# EAGLE board working (EAGLE 7.5.0), part 1 of 8
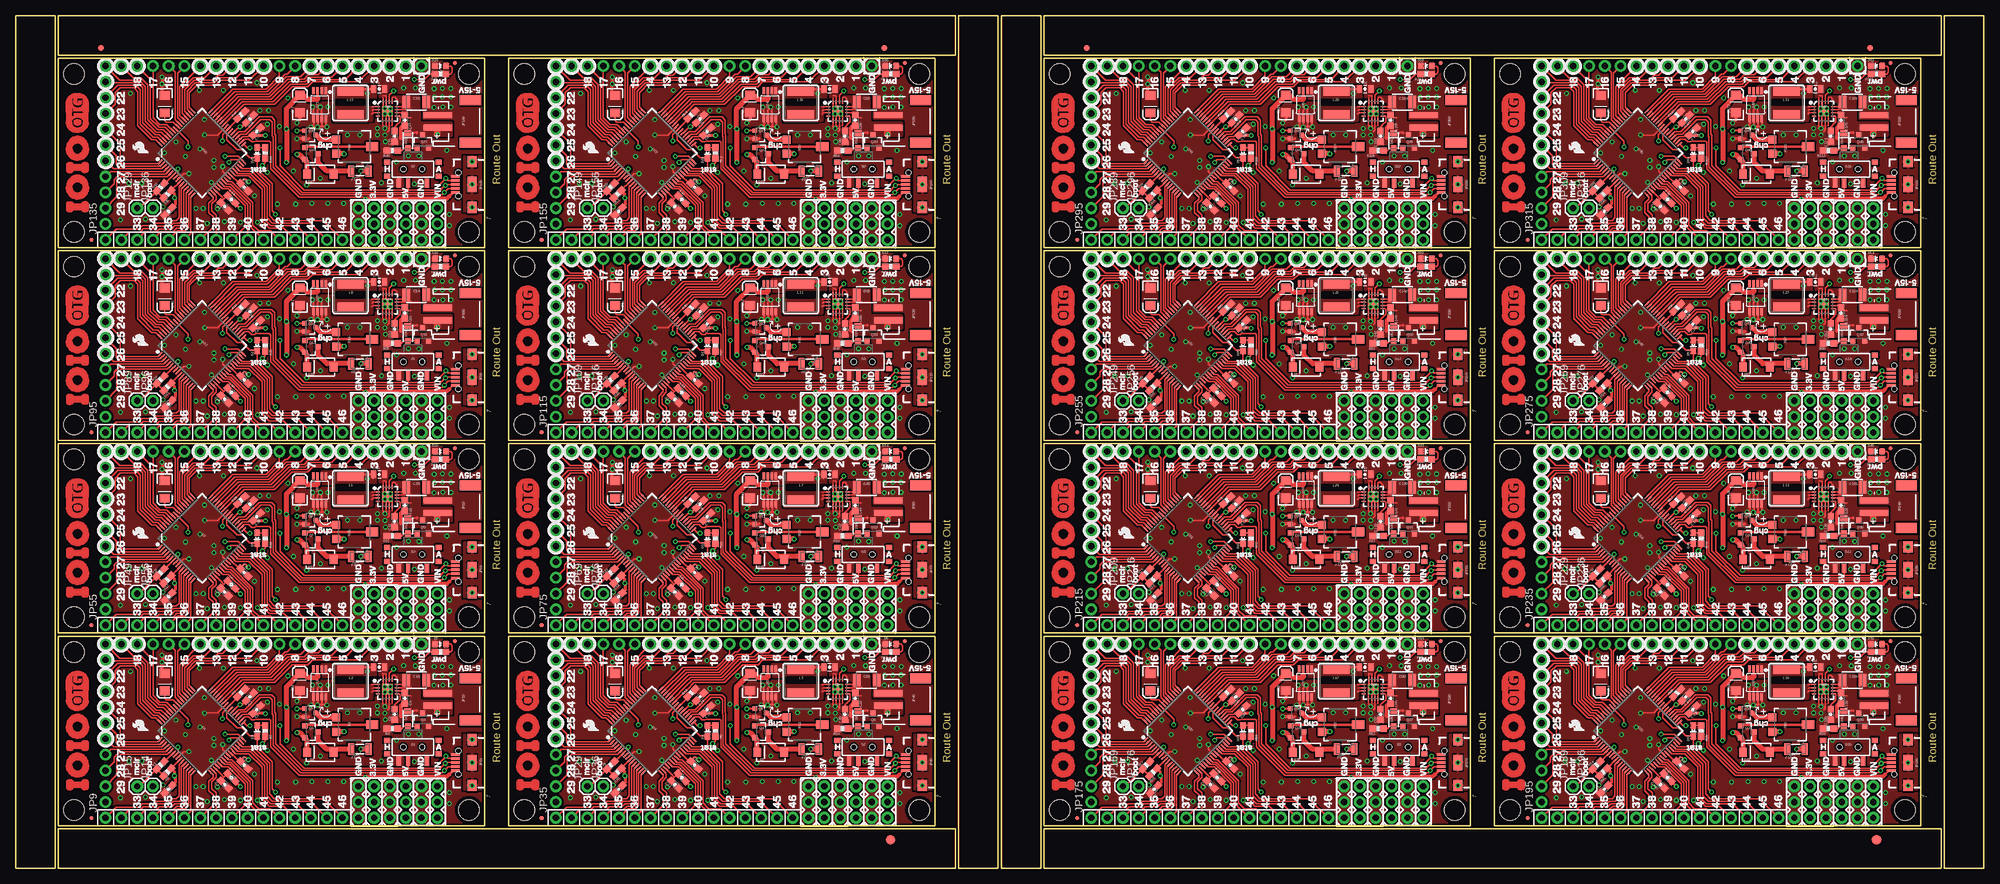
[diagram p0: board, top side]
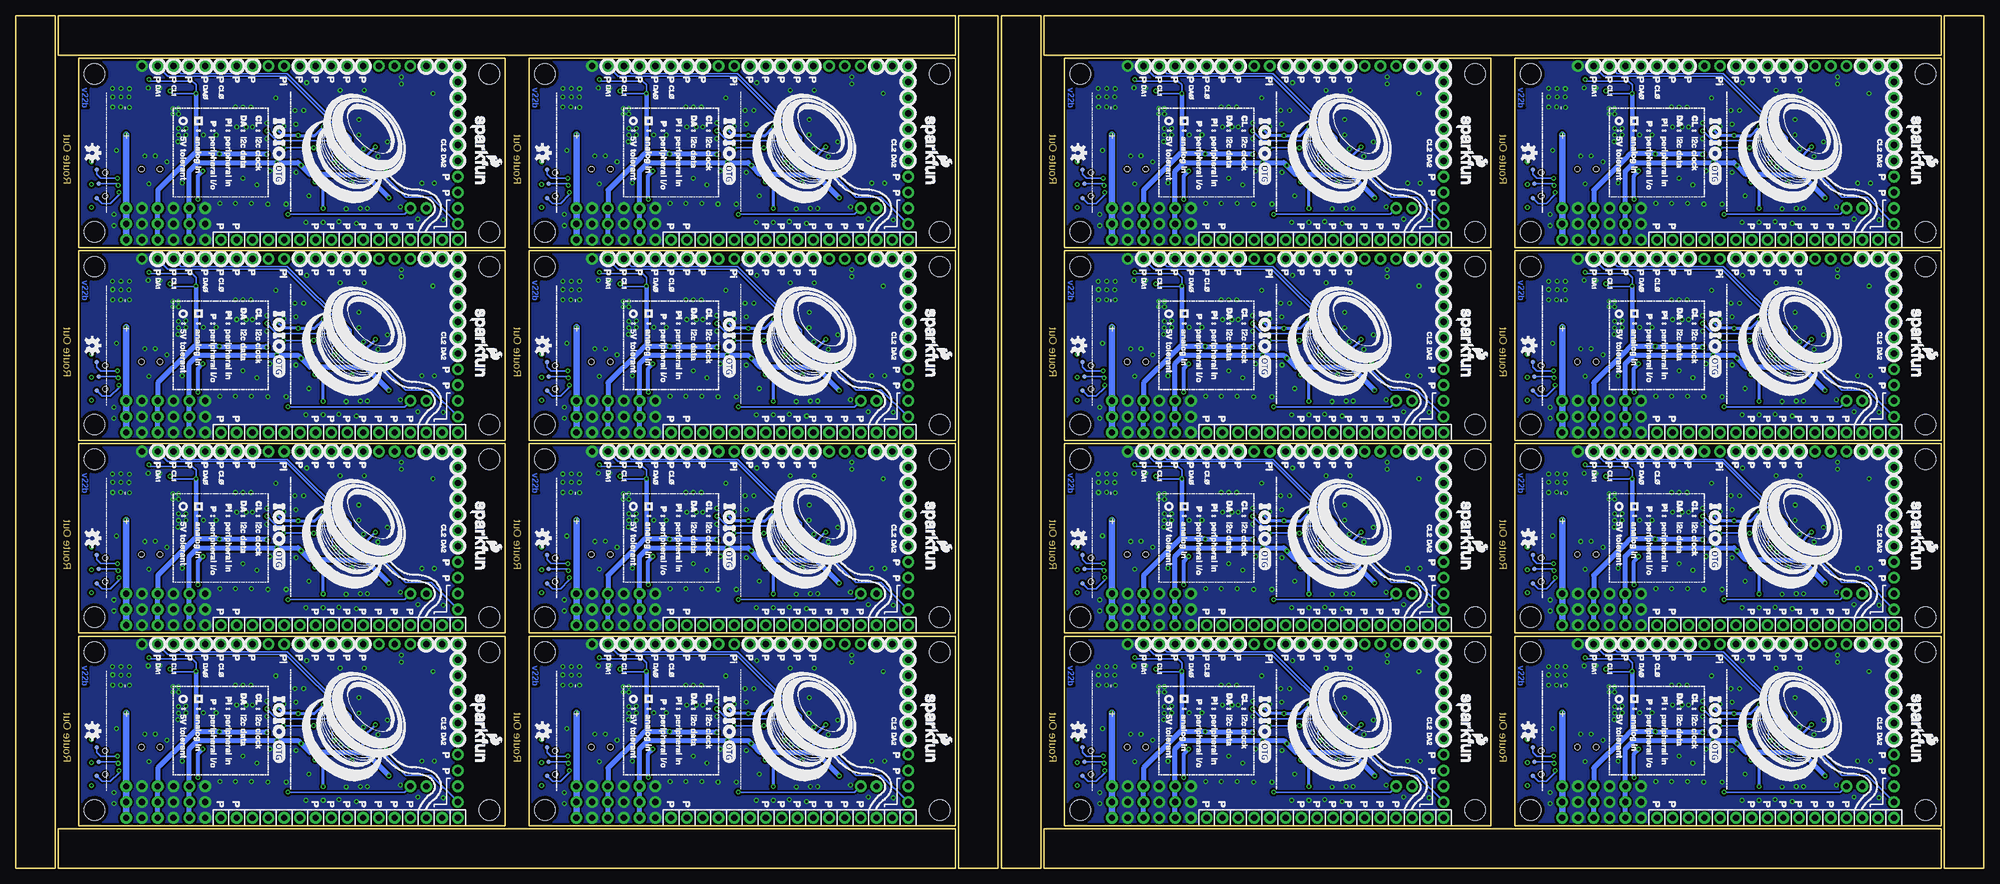
[diagram p1: board, bottom side, seen from below]

Size 316.48 x 137.16 mm. Coordinates in mm from the lower left corner, seen from the top.
Outline: 6.35,79.25 6.35,0 0,0 0,29.72
Outline: 0,27.18 0,137.16 6.35,137.16 6.35,76.71
Outline: 79.25,0 6.86,0 6.86,6.35 29.72,6.35
Outline: 27.18,6.35 151.13,6.35 151.13,0 76.71,0
Outline: 157.99,79.25 157.99,0 151.64,0 151.64,29.72
Outline: 151.64,27.18 151.64,137.16 157.99,137.16 157.99,76.71
Outline: 75.44,137.16 151.13,137.16 151.13,130.81 124.97,130.81
Outline: 127.51,130.81 6.86,130.81 6.86,137.16 77.98,137.16
Outline: 164.85,79.25 164.85,0 158.5,0 158.5,29.72
Outline: 158.5,27.18 158.5,137.16 164.85,137.16 164.85,76.71
Outline: 237.74,0 165.35,0 165.35,6.35 188.21,6.35
Outline: 185.67,6.35 309.63,6.35 309.63,0 235.2,0
Outline: 316.48,79.25 316.48,0 310.13,0 310.13,29.72
Outline: 310.13,27.18 310.13,137.16 316.48,137.16 316.48,76.71
Outline: 233.93,137.16 309.63,137.16 309.63,130.81 283.46,130.81
Outline: 286,130.81 165.35,130.81 165.35,137.16 236.47,137.16
Outline: 6.86,6.86 75.44,6.86 75.44,37.34 6.86,37.34 6.86,6.86
Outline: 79.25,6.86 147.83,6.86 147.83,37.34 79.25,37.34 79.25,6.86
Outline: 6.86,37.85 75.44,37.85 75.44,68.33 6.86,68.33 6.86,37.85
Outline: 79.25,37.85 147.83,37.85 147.83,68.33 79.25,68.33 79.25,37.85
Outline: 6.86,68.83 75.44,68.83 75.44,99.31 6.86,99.31 6.86,68.83
Outline: 79.25,68.83 147.83,68.83 147.83,99.31 79.25,99.31 79.25,68.83
Outline: 6.86,99.82 75.44,99.82 75.44,130.3 6.86,130.3 6.86,99.82
Outline: 79.25,99.82 147.83,99.82 147.83,130.3 79.25,130.3 79.25,99.82
Outline: 165.35,6.86 233.93,6.86 233.93,37.34 165.35,37.34 165.35,6.86
Outline: 237.74,6.86 306.32,6.86 306.32,37.34 237.74,37.34 237.74,6.86
Outline: 165.35,37.85 233.93,37.85 233.93,68.33 165.35,68.33 165.35,37.85
Outline: 237.74,37.85 306.32,37.85 306.32,68.33 237.74,68.33 237.74,37.85
Outline: 165.35,68.83 233.93,68.83 233.93,99.31 165.35,99.31 165.35,68.83
Outline: 237.74,68.83 306.32,68.83 306.32,99.31 237.74,99.31 237.74,68.83
Outline: 165.35,99.82 233.93,99.82 233.93,130.3 165.35,130.3 165.35,99.82
Outline: 237.74,99.82 306.32,99.82 306.32,130.3 237.74,130.3 237.74,99.82
Copper layers (1*16): Top 0.035mm / dielectric 1.5mm / Bottom 0.035mm
Design rules "SparkFun-2-layer-TIGHT": minimum track width 7mil, minimum drill 15mil, track to track 7mil, track to pad 7mil, pad to pad 7mil, via to via 7mil, smd to smd 7mil, copper to edge 7mil, drill to drill 7mil, minimum pad ring 7mil, minimum via ring 7mil, stop-mask expansion 4mil, vias tented up to drill 20mil, thermal gap 10mil
tRestrict: area 51.5,29.8 to 58.4,30.6; area 61,29.2 to 61.9,29.4; area 61,28.7 to 61.9,28.9; area 61,29.7 to 61.9,29.9; area 60.7,29.8 to 60.9,30.7; area 59.7,30 to 59.9,30.8; area 59.2,29.9 to 59.4,30.8; area 58.7,29.9 to 58.9,30.8; area 57.8,29.7 to 58.6,29.9; area 57.8,29.2 to 58.7,29.4; area 57.8,28.7 to 58.7,28.9; area 57.8,28.2 to 58.7,28.4; area 59.2,26.8 to 59.4,27.7; area 59.7,26.8 to 59.9,27.7; area 60.2,26.8 to 60.4,27.7; area 60.7,26.8 to 60.9,27.6; area 58.7,26.8 to 58.9,27.7; area 58.8,27.9 to 58.9,29.7; area 60.7,27.9 to 60.8,29.7; area 59.2,27.7 to 59.4,27.9; area 59.7,27.7 to 59.9,27.9; area 60.2,27.7 to 60.5,27.9; area 59.2,29.7 to 59.5,29.9; area 59.7,29.7 to 60,29.9; area 60.2,29.7 to 60.5,29.9; area 123.9,29.8 to 130.8,30.6; area 133.4,29.2 to 134.3,29.4; area 133.4,28.7 to 134.3,28.9; area 133.4,29.7 to 134.3,29.9; area 133.1,29.8 to 133.3,30.7; area 132.1,30 to 132.3,30.8; area 131.6,29.9 to 131.8,30.8; area 131.1,29.9 to 131.3,30.8; area 130.1,29.7 to 131,29.9; area 130.2,29.2 to 131,29.4; area 130.2,28.7 to 131,28.9; area 130.2,28.2 to 131.1,28.4; area 131.6,26.8 to 131.8,27.7; area 132.1,26.8 to 132.3,27.7; area 132.6,26.8 to 132.8,27.7; area 133.1,26.8 to 133.3,27.6; area 131.1,26.8 to 131.3,27.7; area 131.2,27.9 to 131.3,29.7; area 133.1,27.9 to 133.2,29.7; area 131.6,27.7 to 131.8,27.9; area 132.1,27.7 to 132.3,27.9; area 132.6,27.7 to 132.9,27.9; area 131.6,29.7 to 131.8,29.9; area 132.1,29.7 to 132.4,29.9; area 132.6,29.7 to 132.8,29.9; area 51.5,60.8 to 58.4,61.6; area 61,60.2 to 61.9,60.4; area 61,59.7 to 61.9,59.9; area 61,60.7 to 61.9,60.9; area 60.7,60.8 to 60.9,61.7; area 59.7,61 to 59.9,61.8; area 59.2,60.9 to 59.4,61.8; area 58.7,60.9 to 58.9,61.8; area 57.8,60.7 to 58.6,60.9; area 57.8,60.2 to 58.7,60.4; area 57.8,59.7 to 58.7,59.9; area 57.8,59.2 to 58.7,59.4; area 59.2,57.8 to 59.4,58.6; area 59.7,57.8 to 59.9,58.6; area 60.2,57.8 to 60.4,58.6; area 60.7,57.7 to 60.9,58.6; area 58.7,57.8 to 58.9,58.7; area 58.8,58.9 to 58.9,60.6; area 60.7,58.9 to 60.8,60.6; area 59.2,58.7 to 59.4,58.9; area 59.7,58.7 to 59.9,58.9; area 60.2,58.7 to 60.5,58.9; area 59.2,60.7 to 59.5,60.9; area 59.7,60.7 to 60,60.9; area 60.2,60.7 to 60.5,60.9; area 123.9,60.8 to 130.8,61.6; area 133.4,60.2 to 134.3,60.4; area 133.4,59.7 to 134.3,59.9; area 133.4,60.7 to 134.3,60.9; area 133.1,60.8 to 133.3,61.7; area 132.1,61 to 132.3,61.8; area 131.6,60.9 to 131.8,61.8; area 131.1,60.9 to 131.3,61.8; area 130.1,60.7 to 131,60.9; area 130.2,60.2 to 131,60.4; area 130.2,59.7 to 131,59.9; area 130.2,59.2 to 131.1,59.4; area 131.6,57.8 to 131.8,58.6; area 132.1,57.8 to 132.3,58.6; area 132.6,57.8 to 132.8,58.6; area 133.1,57.7 to 133.3,58.6; area 131.1,57.8 to 131.3,58.7; area 131.2,58.9 to 131.3,60.6; area 133.1,58.9 to 133.2,60.6; area 131.6,58.7 to 131.8,58.9; area 132.1,58.7 to 132.3,58.9; area 132.6,58.7 to 132.9,58.9; area 131.6,60.7 to 131.8,60.9; area 132.1,60.7 to 132.4,60.9; area 132.6,60.7 to 132.8,60.9; area 51.5,91.8 to 58.4,92.6; area 61,91.2 to 61.9,91.4; area 61,90.7 to 61.9,90.9; area 61,91.7 to 61.9,91.9; area 60.7,91.8 to 60.9,92.7; area 59.7,91.9 to 59.9,92.8; area 59.2,91.9 to 59.4,92.8; area 58.7,91.9 to 58.9,92.8; area 57.8,91.7 to 58.6,91.9; area 57.8,91.2 to 58.7,91.4; area 57.8,90.7 to 58.7,90.9; area 57.8,90.2 to 58.7,90.4; area 59.2,88.8 to 59.4,89.6; area 59.7,88.8 to 59.9,89.6; area 60.2,88.8 to 60.4,89.6; area 60.7,88.7 to 60.9,89.6; area 58.7,88.8 to 58.9,89.6; area 58.8,89.8 to 58.9,91.6; area 60.7,89.9 to 60.8,91.6; area 59.2,89.7 to 59.4,89.9; area 59.7,89.7 to 59.9,89.9; area 60.2,89.7 to 60.5,89.9; area 59.2,91.7 to 59.5,91.9; area 59.7,91.7 to 60,91.9; area 60.2,91.7 to 60.5,91.9; area 123.9,91.8 to 130.8,92.6; area 133.4,91.2 to 134.3,91.4; area 133.4,90.7 to 134.3,90.9; area 133.4,91.7 to 134.3,91.9; area 133.1,91.8 to 133.3,92.7; area 132.1,91.9 to 132.3,92.8; area 131.6,91.9 to 131.8,92.8; area 131.1,91.9 to 131.3,92.8; area 130.1,91.7 to 131,91.9; area 130.2,91.2 to 131,91.4; area 130.2,90.7 to 131,90.9; area 130.2,90.2 to 131.1,90.4; area 131.6,88.8 to 131.8,89.6; area 132.1,88.8 to 132.3,89.6; area 132.6,88.8 to 132.8,89.6; area 133.1,88.7 to 133.3,89.6; area 131.1,88.8 to 131.3,89.6; area 131.2,89.8 to 131.3,91.6; area 133.1,89.9 to 133.2,91.6; area 131.6,89.7 to 131.8,89.9; area 132.1,89.7 to 132.3,89.9; area 132.6,89.7 to 132.9,89.9; area 131.6,91.7 to 131.8,91.9; area 132.1,91.7 to 132.4,91.9; area 132.6,91.7 to 132.8,91.9; area 51.5,122.8 to 58.4,123.6; area 61,122.2 to 61.9,122.4; area 61,121.7 to 61.9,121.9; area 61,122.7 to 61.9,122.9; area 60.7,122.8 to 60.9,123.7; area 59.7,122.9 to 59.9,123.8; area 59.2,122.9 to 59.4,123.8; area 58.7,122.9 to 58.9,123.7; area 57.8,122.7 to 58.6,122.9; area 57.8,122.2 to 58.7,122.4; area 57.8,121.7 to 58.7,121.9; area 57.8,121.2 to 58.7,121.4; area 59.2,119.7 to 59.4,120.6; area 59.7,119.7 to 59.9,120.6; area 60.2,119.7 to 60.4,120.6; area 60.7,119.7 to 60.9,120.6; area 58.7,119.8 to 58.9,120.6; area 58.8,120.8 to 58.9,122.6; area 60.7,120.8 to 60.8,122.6; area 59.2,120.7 to 59.4,120.9; area 59.7,120.7 to 59.9,120.9; area 60.2,120.7 to 60.5,120.9; area 59.2,122.7 to 59.5,122.8; area 59.7,122.7 to 60,122.8; area 60.2,122.7 to 60.5,122.8; area 123.9,122.8 to 130.8,123.6; area 133.4,122.2 to 134.3,122.4; area 133.4,121.7 to 134.3,121.9; area 133.4,122.7 to 134.3,122.9; area 133.1,122.8 to 133.3,123.7; area 132.1,122.9 to 132.3,123.8; area 131.6,122.9 to 131.8,123.8; area 131.1,122.9 to 131.3,123.7; area 130.1,122.7 to 131,122.9; area 130.2,122.2 to 131,122.4; area 130.2,121.7 to 131,121.9; area 130.2,121.2 to 131.1,121.4; area 131.6,119.7 to 131.8,120.6; area 132.1,119.7 to 132.3,120.6; area 132.6,119.7 to 132.8,120.6; area 133.1,119.7 to 133.3,120.6; area 131.1,119.8 to 131.3,120.6; area 131.2,120.8 to 131.3,122.6; area 133.1,120.8 to 133.2,122.6; area 131.6,120.7 to 131.8,120.9; area 132.1,120.7 to 132.3,120.9; area 132.6,120.7 to 132.9,120.9; area 131.6,122.7 to 131.8,122.8; area 132.1,122.7 to 132.4,122.8; area 132.6,122.7 to 132.8,122.8; area 210,29.8 to 216.9,30.6; area 219.5,29.2 to 220.4,29.4; area 219.5,28.7 to 220.4,28.9; area 219.5,29.7 to 220.4,29.9; area 219.2,29.8 to 219.4,30.7; area 218.2,30 to 218.4,30.8; area 217.7,29.9 to 217.9,30.8; area 217.2,29.9 to 217.4,30.8; area 216.2,29.7 to 217.1,29.9; area 216.3,29.2 to 217.2,29.4; area 216.3,28.7 to 217.2,28.9; area 216.3,28.2 to 217.2,28.4; area 217.7,26.8 to 217.9,27.7; area 218.2,26.8 to 218.4,27.7; area 218.7,26.8 to 218.9,27.7; area 219.2,26.8 to 219.4,27.6; area 217.2,26.8 to 217.4,27.7; area 217.3,27.9 to 217.4,29.7; area 219.2,27.9 to 219.3,29.7; area 217.7,27.7 to 217.9,27.9; area 218.2,27.7 to 218.4,27.9; area 218.7,27.7 to 219,27.9; area 217.7,29.7 to 217.9,29.9; area 218.2,29.7 to 218.5,29.9; area 218.7,29.7 to 218.9,29.9; area 282.4,29.8 to 289.3,30.6; area 291.9,29.2 to 292.8,29.4; area 291.9,28.7 to 292.7,28.9; area 291.9,29.7 to 292.8,29.9; area 291.6,29.8 to 291.8,30.7; area 290.6,30 to 290.8,30.8; area 290.1,29.9 to 290.3,30.8; area 289.6,29.9 to 289.8,30.8; area 288.6,29.7 to 289.5,29.9; area 288.7,29.2 to 289.5,29.4; area 288.7,28.7 to 289.5,28.9; area 288.7,28.2 to 289.6,28.4; area 290.1,26.8 to 290.3,27.7; area 290.6,26.8 to 290.8,27.7; area 291.1,26.8 to 291.3,27.7; area 291.6,26.8 to 291.8,27.6; area 289.6,26.8 to 289.8,27.7; area 289.7,27.9 to 289.8,29.7; area 291.6,27.9 to 291.7,29.7; area 290.1,27.7 to 290.3,27.9; area 290.6,27.7 to 290.8,27.9; area 291.1,27.7 to 291.4,27.9; area 290.1,29.7 to 290.3,29.9; area 290.6,29.7 to 290.8,29.9; area 291.1,29.7 to 291.3,29.9; area 210,60.8 to 216.9,61.6; area 219.5,60.2 to 220.4,60.4; area 219.5,59.7 to 220.4,59.9; area 219.5,60.7 to 220.4,60.9; area 219.2,60.8 to 219.4,61.7; area 218.2,61 to 218.4,61.8; area 217.7,60.9 to 217.9,61.8; area 217.2,60.9 to 217.4,61.8; area 216.2,60.7 to 217.1,60.9; area 216.3,60.2 to 217.2,60.4; area 216.3,59.7 to 217.2,59.9; area 216.3,59.2 to 217.2,59.4; area 217.7,57.8 to 217.9,58.6; area 218.2,57.8 to 218.4,58.6; area 218.7,57.8 to 218.9,58.6; area 219.2,57.7 to 219.4,58.6; area 217.2,57.8 to 217.4,58.7; area 217.3,58.9 to 217.4,60.6; area 219.2,58.9 to 219.3,60.6; area 217.7,58.7 to 217.9,58.9; area 218.2,58.7 to 218.4,58.9; area 218.7,58.7 to 219,58.9; area 217.7,60.7 to 217.9,60.9; area 218.2,60.7 to 218.5,60.9; area 218.7,60.7 to 218.9,60.9; area 282.4,60.8 to 289.3,61.6; area 291.9,60.2 to 292.8,60.4; area 291.9,59.7 to 292.7,59.9; area 291.9,60.7 to 292.8,60.9; area 291.6,60.8 to 291.8,61.7; area 290.6,61 to 290.8,61.8; area 290.1,60.9 to 290.3,61.8; area 289.6,60.9 to 289.8,61.8; area 288.6,60.7 to 289.5,60.9; area 288.7,60.2 to 289.5,60.4; area 288.7,59.7 to 289.5,59.9; area 288.7,59.2 to 289.6,59.4; area 290.1,57.8 to 290.3,58.6; area 290.6,57.8 to 290.8,58.6; area 291.1,57.8 to 291.3,58.6; area 291.6,57.7 to 291.8,58.6; area 289.6,57.8 to 289.8,58.7; area 289.7,58.9 to 289.8,60.6; area 291.6,58.9 to 291.7,60.6; area 290.1,58.7 to 290.3,58.9; area 290.6,58.7 to 290.8,58.9; area 291.1,58.7 to 291.4,58.9; area 290.1,60.7 to 290.3,60.9; area 290.6,60.7 to 290.8,60.9; area 291.1,60.7 to 291.3,60.9; area 210,91.8 to 216.9,92.6; area 219.5,91.2 to 220.4,91.4; area 219.5,90.7 to 220.4,90.9; area 219.5,91.7 to 220.4,91.9; area 219.2,91.8 to 219.4,92.7; area 218.2,91.9 to 218.4,92.8; area 217.7,91.9 to 217.9,92.8; area 217.2,91.9 to 217.4,92.8; area 216.2,91.7 to 217.1,91.9; area 216.3,91.2 to 217.2,91.4; area 216.3,90.7 to 217.2,90.9; area 216.3,90.2 to 217.2,90.4; area 217.7,88.8 to 217.9,89.6; area 218.2,88.8 to 218.4,89.6; area 218.7,88.8 to 218.9,89.6; area 219.2,88.7 to 219.4,89.6; area 217.2,88.8 to 217.4,89.6; area 217.3,89.8 to 217.4,91.6; area 219.2,89.9 to 219.3,91.6; area 217.7,89.7 to 217.9,89.9; area 218.2,89.7 to 218.4,89.9; area 218.7,89.7 to 219,89.9; area 217.7,91.7 to 217.9,91.9; area 218.2,91.7 to 218.5,91.9; area 218.7,91.7 to 218.9,91.9; area 282.4,91.8 to 289.3,92.6; area 291.9,91.2 to 292.8,91.4; area 291.9,90.7 to 292.7,90.9; area 291.9,91.7 to 292.8,91.9; area 291.6,91.8 to 291.8,92.7; area 290.6,91.9 to 290.8,92.8; area 290.1,91.9 to 290.3,92.8; area 289.6,91.9 to 289.8,92.8; area 288.6,91.7 to 289.5,91.9; area 288.7,91.2 to 289.5,91.4; area 288.7,90.7 to 289.5,90.9; area 288.7,90.2 to 289.6,90.4; area 290.1,88.8 to 290.3,89.6; area 290.6,88.8 to 290.8,89.6; area 291.1,88.8 to 291.3,89.6; area 291.6,88.7 to 291.8,89.6; area 289.6,88.8 to 289.8,89.6; area 289.7,89.8 to 289.8,91.6; area 291.6,89.9 to 291.7,91.6; area 290.1,89.7 to 290.3,89.9; area 290.6,89.7 to 290.8,89.9; area 291.1,89.7 to 291.4,89.9; area 290.1,91.7 to 290.3,91.9; area 290.6,91.7 to 290.8,91.9; area 291.1,91.7 to 291.3,91.9; area 210,122.8 to 216.9,123.6; area 219.5,122.2 to 220.4,122.4; area 219.5,121.7 to 220.4,121.9; area 219.5,122.7 to 220.4,122.9; area 219.2,122.8 to 219.4,123.7; area 218.2,122.9 to 218.4,123.8; area 217.7,122.9 to 217.9,123.8; area 217.2,122.9 to 217.4,123.7; area 216.2,122.7 to 217.1,122.9; area 216.3,122.2 to 217.2,122.4; area 216.3,121.7 to 217.2,121.9; area 216.3,121.2 to 217.2,121.4; area 217.7,119.7 to 217.9,120.6; area 218.2,119.7 to 218.4,120.6; area 218.7,119.7 to 218.9,120.6; area 219.2,119.7 to 219.4,120.6; area 217.2,119.8 to 217.4,120.6; area 217.3,120.8 to 217.4,122.6; area 219.2,120.8 to 219.3,122.6; area 217.7,120.7 to 217.9,120.9; area 218.2,120.7 to 218.4,120.9; area 218.7,120.7 to 219,120.9; area 217.7,122.7 to 217.9,122.8; area 218.2,122.7 to 218.5,122.8; area 218.7,122.7 to 218.9,122.8; area 282.4,122.8 to 289.3,123.6; area 291.9,122.2 to 292.8,122.4; area 291.9,121.7 to 292.7,121.9; area 291.9,122.7 to 292.8,122.9; area 291.6,122.8 to 291.8,123.7; area 290.6,122.9 to 290.8,123.8; area 290.1,122.9 to 290.3,123.8; area 289.6,122.9 to 289.8,123.7; area 288.6,122.7 to 289.5,122.9; area 288.7,122.2 to 289.5,122.4; area 288.7,121.7 to 289.5,121.9; area 288.7,121.2 to 289.6,121.4; area 290.1,119.7 to 290.3,120.6; area 290.6,119.7 to 290.8,120.6; area 291.1,119.7 to 291.3,120.6; area 291.6,119.7 to 291.8,120.6; area 289.6,119.8 to 289.8,120.6; area 289.7,120.8 to 289.8,122.6; area 291.6,120.8 to 291.7,122.6; area 290.1,120.7 to 290.3,120.9; area 290.6,120.7 to 290.8,120.9; area 291.1,120.7 to 291.4,120.9; area 290.1,122.7 to 290.3,122.8; area 290.6,122.7 to 290.8,122.8; area 291.1,122.7 to 291.3,122.8

## Footprints (pad centres in the part's own frame; a part is rotated, then mirrored left to right if it is on the bottom)
0603-CAP = smd 1.1 x 1: 1 -0.85,0; 2 0.85,0
0805-CAP = smd 0.8 x 1.2: 1 -0.9,0; 2 0.9,0
EIA3216 = smd 1.4 x 1.6: A 1.4,0; C -1.4,0
1210 = smd 1.2 x 2: 1 -1.6,0; 2 1.6,0
SMA-DIODE = smd 1.27 x 1.47: A -2.15,0; C 2.15,0
PANASONIC_SMINI2-F5-B = smd 0.9 x 0.9: A 1.2,0 | smd 0.9 x 1.1: C -1.2,0
LED-0603 = smd 1 x 1: A 0,-0.877; C 0,0.877
FIDUCIAL-1.5X3 = smd 1.5 x 1.5: 1 0,0
FIDUCIAL-1X2 = smd 1 x 1: 1 0,0
PTC-1206 = smd 1 x 1.8: 1 -1.4,0; 2 1.4,0
1X03 = drill 1.016 pad 1.88: 1 0,0; 2 2.54,0; 3 5.08,0
1X01 = drill 1.016 pad 1.88: 1 0,0
1X16_NO_SILK = drill 1.016 pad 1.88: 1 0,0; 2 2.54,0; 3 5.08,0; 4 7.62,0; 5 10.16,0; 6 12.7,0; 7 15.24,0; 8 17.78,0; 9 20.32,0; 10 22.86,0; 11 25.4,0; 12 27.94,0; 13 30.48,0; 14 33.02,0; 15 35.56,0; 16 38.1,0
MICRO-FIDUCIAL = smd 0.635 x 0.635: 1 0,0
1X11_NO_SILK = drill 1.016 pad 1.88: 1 0,0; 2 2.54,0; 3 5.08,0; 4 7.62,0; 5 10.16,0; 6 12.7,0; 7 15.24,0; 8 17.78,0; 9 20.32,0; 10 22.86,0; 11 25.4,0
STAND-OFF = hole 3.302: 0,0
JST-2-SMD = smd 1 x 4.6: 1 -1,-3.7; 2 1,-3.7 | smd 1.6 x 3.4: NC1 -3.4,1.5; NC2 3.4,1.5
1X19_NO_SILK = drill 1.016 pad 1.88: 1 0,0; 2 2.54,0; 3 5.08,0; 4 7.62,0; 5 10.16,0; 6 12.7,0; 7 15.24,0; 8 17.78,0; 9 20.32,0; 10 22.86,0; 11 25.4,0; 12 27.94,0; 13 30.48,0; 14 33.02,0; 15 35.56,0; 16 38.1,0; 17 40.64,0; 18 43.18,0; 19 45.72,0
USB-AB-MICRO-SMD_V03 = smd 1.4 x 0.4: D+1 2.7,0; D-1 2.7,0.65; GND1 2.7,-1.3; ID1 2.7,-0.65; VBUS1 2.7,1.3 | smd 1.5 x 1.8: SHIELD1 0,3.68; SHIELD3 0,-3.68 | smd 1.5 x 2.5: SHIELD2 0,0 | hole 0.85: 2.2,1.9; 2.2,-1.9
0603 = smd 1.1 x 1: 1 -0.85,0; 2 0.85,0
CR54 = smd 4.2 x 1.4: P$1 0,1.85; P$2 0,-1.85
SOT23-3 = smd 0.8 x 0.9: 1 -0.95,-1; 2 0.95,-1; 3 0,1.1
SOT323 = smd 0.7 x 0.7: 1 -0.65,-0.925; 2 0.65,-0.925; 3 0,0.925
0603-RES = smd 1.1 x 1: 1 -0.85,0; 2 0.85,0
TRIMPOT_5MM = smd 1.3 x 1.3: A 1.15,-2.54; C -1.15,-2.54 | smd 1.402 x 2: B 0,3.239
KPS-1290 = smd 0.7 x 1.5: O -2.25,2.25; P 0.75,2.25; S 2.25,2.25 | smd 1 x 0.8: P$1 -4.15,1.1; P$2 -4.15,-1.1; P$3 4.15,-1.1; P$4 4.15,1.1 | hole 0.9: -1.5,0; 1.5,0
PAD.03X.03 = smd 0.762 x 0.762: P$1 0,0
PIC24FXXX_TQFP64 = smd 0.22 x 1: 1 -3.75,-5.75; 2 -3.25,-5.75; 3 -2.75,-5.75; 4 -2.25,-5.75; 5 -1.75,-5.75; 6 -1.25,-5.75; 7 -0.75,-5.75; 8 -0.25,-5.75; 9 0.25,-5.75; 10 0.75,-5.75; 11 1.25,-5.75; 12 1.75,-5.75; 13 2.25,-5.75; 14 2.75,-5.75; 15 3.25,-5.75; 16 3.75,-5.75; 33 3.75,5.75; 34 3.25,5.75; 35 2.75,5.75; 36 2.25,5.75; 37 1.75,5.75; 38 1.25,5.75; 39 0.75,5.75; 40 0.25,5.75; 41 -0.25,5.75; 42 -0.75,5.75; 43 -1.25,5.75; 44 -1.75,5.75; 45 -2.25,5.75; 46 -2.75,5.75; 47 -3.25,5.75; 48 -3.75,5.75 | smd 1 x 0.22: 17 5.75,-3.75; 18 5.75,-3.25; 19 5.75,-2.75; 20 5.75,-2.25; 21 5.75,-1.75; 22 5.75,-1.25; 23 5.75,-0.75; 24 5.75,-0.25; 25 5.75,0.25; 26 5.75,0.75; 27 5.75,1.25; 28 5.75,1.75; 29 5.75,2.25; 30 5.75,2.75; 31 5.75,3.25; 32 5.75,3.75; 49 -5.75,3.75; 50 -5.75,3.25; 51 -5.75,2.75; 52 -5.75,2.25; 53 -5.75,1.75; 54 -5.75,1.25; 55 -5.75,0.75; 56 -5.75,0.25; 57 -5.75,-0.25; 58 -5.75,-0.75; 59 -5.75,-1.25; 60 -5.75,-1.75; 61 -5.75,-2.25; 62 -5.75,-2.75; 63 -5.75,-3.25; 64 -5.75,-3.75
QFN16-3X3MM_1:1_V03 = smd 0.85 x 0.28: 1 -1.524,0.75; 2 -1.524,0.253; 3 -1.529,-0.25; 4 -1.527,-0.774; 9 1.503,-0.77; 10 1.498,-0.245; 11 1.498,0.255; 12 1.495,0.755 | smd 0.28 x 0.85: 5 -0.765,-1.513; 6 -0.265,-1.513; 7 0.263,-1.513; 8 0.763,-1.513; 13 0.758,1.518; 14 0.258,1.518; 15 -0.247,1.518; 16 -0.742,1.518 | smd 1.68 x 1.68: EXT -0.009,0.008
MSOP8 = smd 0.4 x 1.1: 1 -0.975,-2.25; 2 -0.325,-2.25; 3 0.325,-2.25; 4 0.975,-2.25; 5 0.975,2.25; 6 0.325,2.25; 7 -0.325,2.25; 8 -0.975,2.25